# Altium PCB jlink_ob.PcbDoc
Units mil, origin at the board's own origin, x right, y up, seen from the top; angles counter-clockwise.
Board outline 1205 x 765 mil, 2 copper layers (Top Layer, Bottom Layer); 35 components, 30 nets, 122 pads, 37 vias.
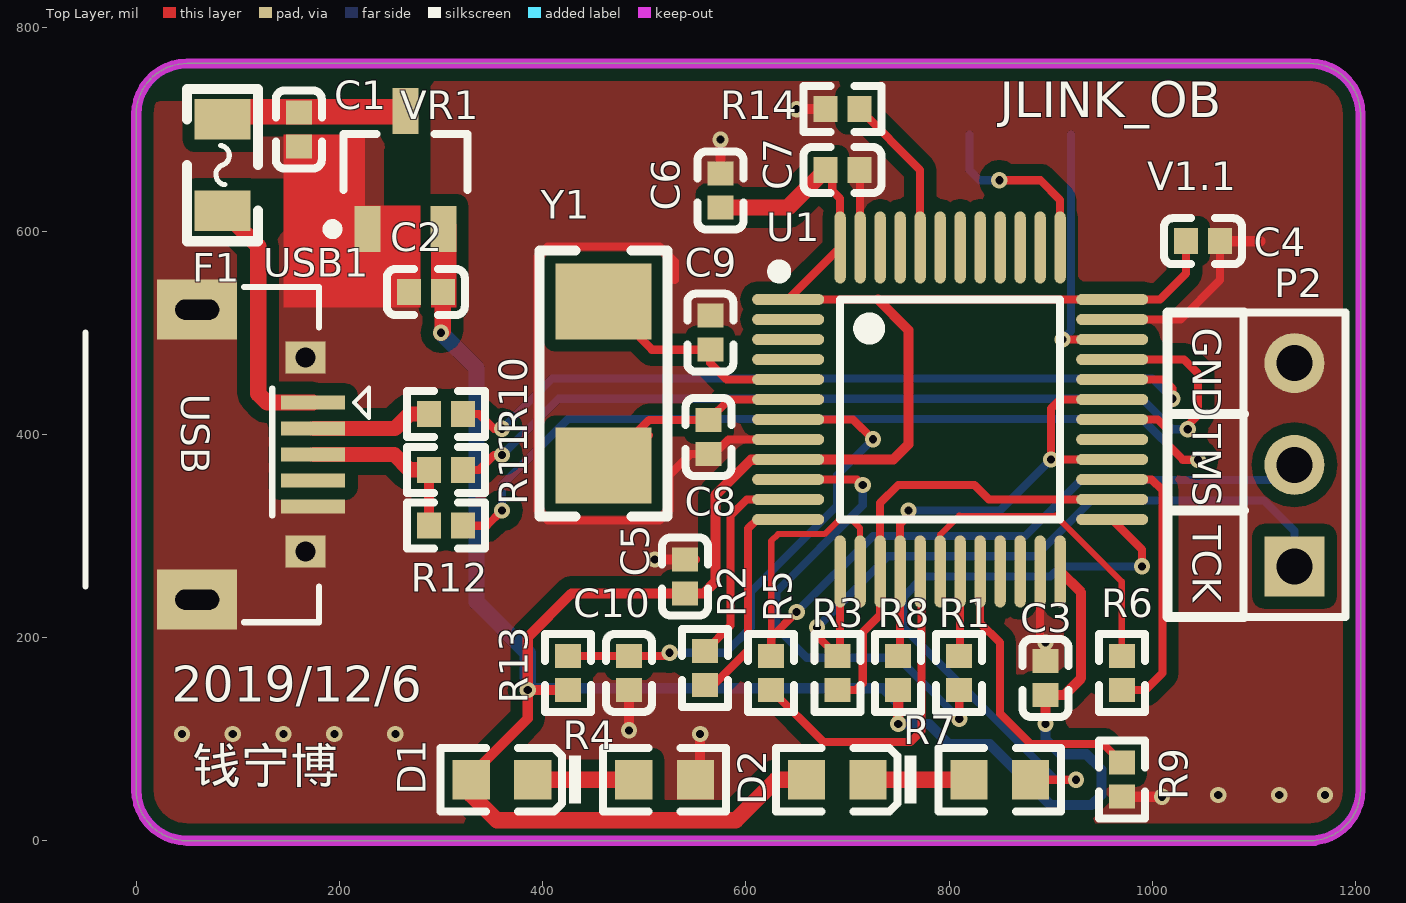
[diagram p0: Top Layer view]
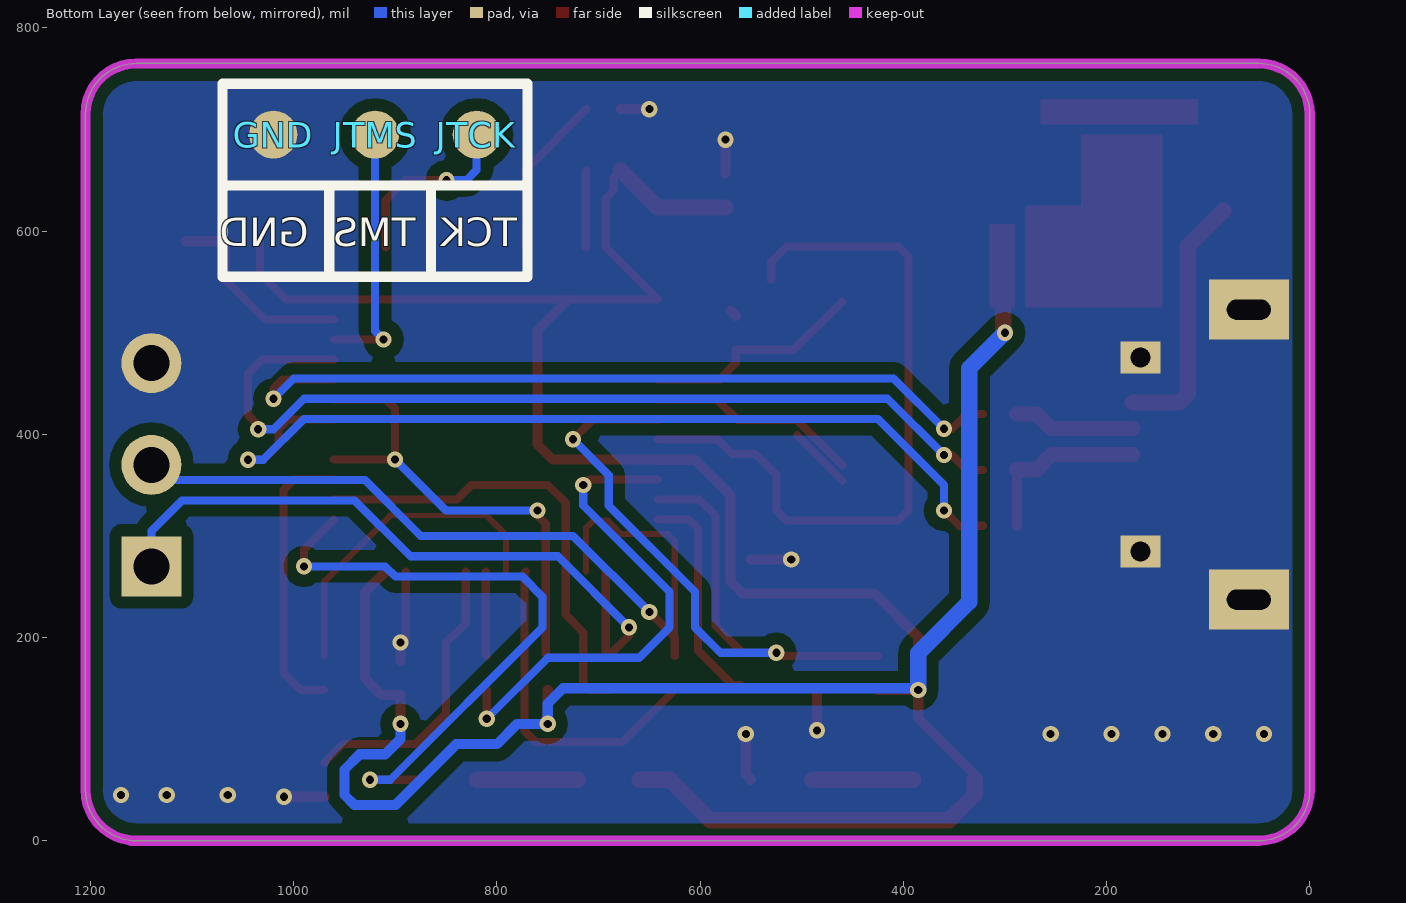
[diagram p1: Bottom Layer view, seen from below]
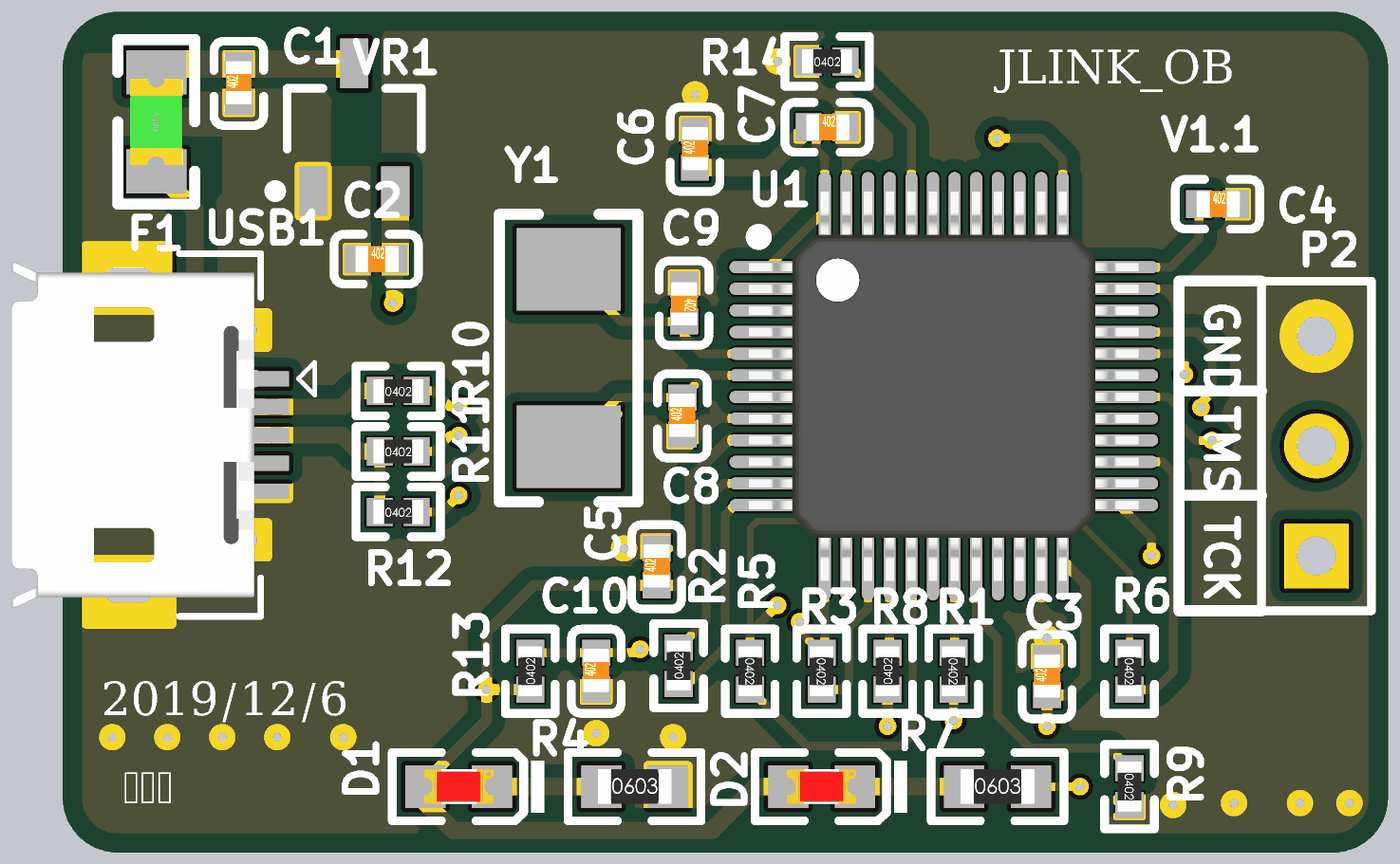
[diagram p2: 3D render of the assembled board from above, using the file's embedded part models]

## Layer stack, top to bottom
Top Solder: solder mask 0.4, Solder Resist, Dk 3.5
Top Layer: signal copper 1.4
Dielectric 1: dielectric 12.6, FR-4, Dk 4.8
Bottom Layer: signal copper 1.4
Bottom Solder: solder mask 0.4, Solder Resist, Dk 3.5

## Board outline
0,50 0,715 cw(c50,715) 50,765 1155,765 cw(c1155,715) 1205,715 1205,50 cw(c1155,50) 1155,0 50,0 cw(c50,50)

## Design rules (kind name [scope] priority, off if disabled: settings)
Clearance polgan [InPolygon] p1: gap=12 ignorepadtopadclearanceinfootprint=FALSE
Clearance all_commont_pads_ele [All] p2: gap=6 ignorepadtopadclearanceinfootprint=FALSE
DiffPairsRouting DiffPair_DiffPairsRouting [InDifferentialPair ('usb')] p1: maxlimit=40 minlimit=6 mostfreqgap=8 toplayer_minwidth=6 toplayer_maxwidth=15 toplayer_prefwidth=8 bottomlayer_minwidth=6 bottomlayer_maxwidth=15 bottomlayer_prefwidth=8 maxuncoupledlength=500
DiffPairsRouting [All] p2: maxlimit=10 minlimit=10 mostfreqgap=10 toplayer_minwidth=8 toplayer_maxwidth=15 toplayer_prefwidth=8 bottomlayer_minwidth=8 bottomlayer_maxwidth=15 bottomlayer_prefwidth=8 maxuncoupledlength=500
MatchedLengths DiffPair_MatchedLengths [InDifferentialPair ('usb')] p1: tolerance=20 checknetsindiffpair=TRUE checkdiffpairvsdiffpair=FALSE checkxsignals=FALSE checkothers=FALSE
PlaneConnect PlaneConnect_1 [All] p1: planeconnectstyle=Relief reliefexpansion=20 reliefentries=4 reliefconductorwidth=10 reliefairgap=10
PolygonConnect gnd [InNet('GND')] p1: connectstyle=Direct reliefconductorwidth=10 reliefentries=4 polygonreliefangle="90 Angle" airgapwidth=10
PolygonConnect [All] p2: connectstyle=Relief reliefconductorwidth=10 reliefentries=4 polygonreliefangle="90 Angle" airgapwidth=10
RoutingVias [All] p1: holewidth=8 width=16 viastyle="Through Hole" minholewidth=8 minwidth=16 maxholewidth=16 maxwidth=24
SolderMaskExpansion [All] p1: expansion=4
Width [All] p1: maxlimit=18 minlimit=5 preferedwidth=8
28 further rules are at their usual default settings.

## Classes and differential pairs
differential pair class usb: NewDifferentialPair1 usb
differential pair NewDifferentialPair1: +NetR10_1 -NetR11_1
differential pair usb: +USBD+ -USBD-

## Components (designator, comment, footprint, x,y, rotation, side; value= is the part's Value field where it differs from the comment)
C1 "100nF (104) 10% 16V" 0402_C 160,700 r90 top
C2 "100nF (104) 10% 16V" 0402_C 285,540 r0 top
C3 "100nF (104) 10% 16V" 0402_C 895,160 r90 top
C4 "100nF (104) 10% 16V" 0402_C 1050,590 r0 top
C5 "100nF (104) 10% 16V" 0402_C 540,260 r90 top
C6 "100nF (104) 10% 16V" 0402_C 575,640 r90 top
C7 "100nF (104) 10% 16V" 0402_C 695,660 r0 top
C8 "22pF (220) 5% 50V" 0402_C 563.39,397.32 r90 top
C9 "22pF (220) 5% 50V" 0402_C 565,500 r270 top
C10 "1.0uF (105) 10% 25V" 0402_C 485,165 r90 top
D1 "绿灯 0603" 0603_LED_S1 360,60 r180 top
D2 "蓝灯 0603" 0603_LED_S1 690,60 r180 top
F1 "MSMD200-8V 2A" "FU 0805" 85,665 r90 top
GND "TEST POINT" TP-1.5 1020,695 r90 top
JTCK "TEST POINT" TP-1.5 820,695 r90 top
JTMS "TEST POINT" TP-1.5 920,695 r90 top
P2 "仿真口" HDR1X3 1140,270 r90 top
R1 "100Ω (1000) ±1%" 0402_R 810,165 r270 top
R2 "100Ω (1000) ±1%" 0402_R 560,170 r90 top
R3 "100Ω (1000) ±1%" 0402_R 690,165 r270 top
R4 "510Ω (5100) ±1%" 0603_R 520,60 r0 top
R5 "100Ω (1000) ±1%" 0402_R 625,165 r270 top
R6 "100Ω (1000) ±1%" 0402_R 970,165 r270 top
R7 "510Ω (5100) ±1%" 0603_R 850,60 r0 top
R8 "1KΩ (1001) ±1%" 0402_R 750,165 r90 top
R9 "10KΩ (1002) ±1%" 0402_R 970,60 r270 top
R10 "100Ω (1000) ±1%" 0402_R 305,420 r0 top
R11 "100Ω (1000) ±1%" 0402_R 305,365 r0 top
R12 "100Ω (1000) ±1%" 0402_R 305,310 r0 top
R13 "10KΩ (1002) ±1%" 0402_R 425,165 r90 top
R14 "10KΩ (1002) ±1%" 0402_R 695,720 r0 top
U1 "STM32F103C8T6" LQFP-48_7x7x05P 801.1,424.45 r270 top
USB1 "USB-5P" USB-MICRO_A 60,380 r270 top
VR1 "XC6206P332MR" SOT-23-3L 265,660 r270 top
Y1 "8MHz ±20ppm 20pF" SMD-5032_2P 460,450 r90 top

## Footprints (in the part's own frame and the unit in brackets; to place one, negate y for a bottom-side part, rotate by r counter-clockwise, add the part's x,y. Pads: shape width x height; smd on the part's side, far side on the other; paste and mask are expansions set on the pad)
0402_C [mm]
  rect 0.6x0.65 smd mask+0.051: 1(-0.425,0) 2(0.425,0)
  silkscreen extent -0.97,-0.58 0.97,0.58, body extent -0.48,-0.3 0.52,0.3, height 0.2
0402_R [mm]
  rect 0.6x0.65 smd mask+0.051: 1(-0.425,0) 2(0.425,0)
  silkscreen extent -0.97,-0.58 0.97,0.58, body extent -0.57,-0.27 0.58,0.28, height 0.41
0603_LED_S1 [mm]
  rect 0.93x0.98 smd: A(0.77,0) K(-0.77,0)
  silkscreen extent -1.98,-0.79 1.54,0.79, body extent -0.8,-0.4 0.8,0.4, height 0.6
0603_R [mm]
  rect 0.93x0.98 smd: 1(-0.77,0) 2(0.77,0)
  silkscreen extent -1.53,-0.79 1.54,0.79, body extent -0.85,-0.4 0.85,0.4, height 0.56
"FU 0805" [mil] "贴片保险丝"
  rect 40x55 smd: 1(-45,0) 2(45,0)
  silkscreen extent -75,-35 75,35, body extent -39,-24 39,24, height 20
HDR1X3 [mm] "Connector; Header; 3 Position"
  rect 1.5x1.5 hole 0.9: 1(0,0)
  round 1.5 hole 0.9: 2(2.54,0) 3(5.08,0)
  silkscreen extent -1.27,-1.27 6.35,1.27
LQFP-48_7x7x05P [mm]
  oval 0.28x1.8 smd mask+0.051: 1(-2.75,-4.05) 2(-2.25,-4.05) 3(-1.75,-4.05) 4(-1.25,-4.05) 5(-0.75,-4.05) 6(-0.25,-4.05) 7(0.25,-4.05) 8(0.75,-4.05) 9(1.25,-4.05) 10(1.75,-4.05) 11(2.25,-4.05) 12(2.75,-4.05) 25(2.75,4.05) 26(2.25,4.05) 27(1.75,4.05) 28(1.25,4.05) 29(0.75,4.05) 30(0.25,4.05) 31(-0.25,4.05) 32(-0.75,4.05) 33(-1.25,4.05) 34(-1.75,4.05) 35(-2.25,4.05) 36(-2.75,4.05)
  oval 1.8x0.28 smd mask+0.051: 13(4.05,-2.75) 14(4.05,-2.25) 15(4.05,-1.75) 16(4.05,-1.25) 17(4.05,-0.75) 18(4.05,-0.25) 19(4.05,0.25) 20(4.05,0.75) 21(4.05,1.25) 22(4.05,1.75) 23(4.05,2.25) 24(4.05,2.75) 37(-4.05,2.75) 38(-4.05,2.25) 39(-4.05,1.75) 40(-4.05,1.25) 41(-4.05,0.75) 42(-4.05,0.25) 43(-4.05,-0.25) 44(-4.05,-0.75) 45(-4.05,-1.25) 46(-4.05,-1.75) 47(-4.05,-2.25) 48(-4.05,-2.75)
  silkscreen extent -3.6,-4.42 2.75,2.75, body extent -4.5,-4.5 4.5,4.5, height 1.6
SMD-5032_2P [mm]
  rect 1.9x2.4 smd: 1(-2.05,0) 2(2.05,0)
  silkscreen extent -3.32,-1.6 3.32,1.6
SOT-23-3L [mm] "http://www.aosmd.com/res/packaging_information/SOT-23-3L.pdf"
  rect 1.15x0.65 smd: 1(1.475,-0.95) 2(1.475,0.95) 3(-1.475,0)
  silkscreen extent -0.9,-1.95 1.6,1.55, body extent -0.9,-1.55 0.9,1.55, height 1.25
TP-1.5 [mm]
  round 1.2 smd far side: 1(0,0)
USB-MICRO_A [mm] "micro型USB ，5.7*7.8*2.5mm"
  rect 0.35x1.6 smd: 1(-1.3,2.9) 2(-0.65,2.9) 3(0,2.9) 4(0.65,2.9) 5(1.3,2.9)
  rect 1.5x2 hole 0.5 slot 1.1 at 90 deg: 5(-3.625,0) 5(3.625,0)
  rect 0.8x1 hole 0.5: 5(-2.425,2.71) 5(2.425,2.71)
  silkscreen extent -4.19,-2.79 4.19,4.3, body extent -4,-2.71 4,2.89, height 2.8

## Part data
C1 C2 C3 C4 C5 C6 C7: library part "0402 100nF (104) 10% 16V", "贴片电容", Package=0402, SuppliersPartNumber=C1525, ComponentLink1Description=供应商链接, ComponentLink1URL=http://www.szlcsc.com/product/details_1877.html, Supplier=LC
C8 C9: library part "0402 22pF (220) 5% 50V", "贴片电容", Package=0402, SuppliersPartNumber=C1555, ComponentLink1Description=供应商链接, ComponentLink1URL=http://www.szlcsc.com/product/details_1907.html, Supplier=LC
C10: library part "0402 1.0uF (105) 10% 25V", "贴片电容", Package=0402, SuppliersPartNumber=C52923, ComponentLink1Description=供应商链接, ComponentLink1URL=http://www.szlcsc.com/product/details_53938.html, Supplier=LC
D1: library part "0603 绿灯", "发光二极管", Package=0603, SuppliersPartNumber=C72043, ComponentLink1Description=供应商链接, ComponentLink1URL=http://www.szlcsc.com/product/details_73152.html, Supplier=LC
D2: library part "0603 蓝灯", "发光二极管", Package=0603, SuppliersPartNumber=C72041, ComponentLink1Description=供应商链接, ComponentLink1URL=http://www.szlcsc.com/product/details_73150.html, Supplier=LC
F1: library part FU, "贴片保险丝", BOM名称=贴片保险丝, 学习资源=www.ooocke.com, 版权归属=源创客
GND JTCK JTMS: library part TEST-POINT, "测试点"
P2: library part "Header 3", "Header, 3-Pin", LatestRevisionDate=17-Jul-2002, LatestRevisionNote="Re-released for DXP Platform.", Publisher="Altium Limited"
R1 R2 R3 R5 R6 R10 R11 R12: library part "0402 100Ω (1000) 1%", "贴片电阻", Package=0402, SuppliersPartNumber=C25076, ComponentLink1Description=供应商链接, ComponentLink1URL=http://www.szlcsc.com/product/details_25819.html, Supplier=LC
R4 R7: library part "0603 510Ω (5100) 1%", "贴片电阻", Package=0603, SuppliersPartNumber=C23193, ComponentLink1Description=供应商链接, ComponentLink1URL=http://www.szlcsc.com/product/details_23920.html, Supplier=LC
R8: library part "0402 1KΩ (1001) 1%", "贴片电阻", Package=0402, SuppliersPartNumber=C11702, ComponentLink1Description=供应商链接, ComponentLink1URL=http://www.szlcsc.com/product/details_12256.html, Supplier=LC
R9 R13 R14: library part "0402 10KΩ (1002) 1%", "贴片电阻", Package=0402, SuppliersPartNumber=C25744, ComponentLink1Description=供应商链接, ComponentLink1URL=http://www.szlcsc.com/product/details_26487.html, Supplier=LC
U1: "ARM", Package=LQFP-48_7x7x05P, SuppliersPartNumber=C8734, ComponentLink1Description=供应商链接, ComponentLink1URL=http://www.szlcsc.com/product/details_9243.html, Supplier=LC
USB1: "微型USB母座", BOM名称=微型USB母座, 学习资源=www.ooocke.com, 版权归属=源创客
VR1: library part "SOT-23 XC6206P332MR", "低压差线性稳压(LDO)", Package=SOT-23, SuppliersPartNumber=C5446, ComponentLink1Description=供应商链接, ComponentLink1URL=http://www.szlcsc.com/product/details_5896.html, Supplier=LC
Y1: library part "SMD-5032_2P 8MHz 20ppm 20pF", "贴片晶振", Package=SMD-5032_2P, SuppliersPartNumber=C115962, ComponentLink1Description=供应商链接, ComponentLink1URL=http://www.szlcsc.com/product/details_117214.html, Supplier=LC

## Via types
v1: diameter 16, hole 8, Top Layer to Bottom Layer, 37 vias

## Nets (pads, with @x,y where several pads share a name; then routed paths per layer and width w, separated by ;. In a path a pad name is that pad's centre, name@x,y a point inside that pad or via, vN(x,y) a via of type N, cw(c..) or ccw(c..) an arc to the next point about the centre after c; other vN are vias at no path point)
GND: C1.1 C2.1 C3.2 C4.2 C5.2 C6.2 C7.2 C8.1 C9.1 C10.1 GND.1 P2.3 R4.2 R9.2 R14.1 U1.8 U1.23 U1.35 U1.47 USB1.5 VR1.1 | length 1320
  Top Layer w8: 530,551.73 530,570 515,585 405,585 395,575 395,325 405,315 515,315 525,325 525,360 545.59,380.59 C8.1 568.67,380.59 583,394.92 U1.8 ; C7.2 712.52,659.21 U1.47 ; U1.23 889.68,200.31 v1(895,195) ; U1.35 1028.03,513.03 1066.73,551.73 C4.2
  Top Layer w10: v1(485,108.58) C10.1 ; v1(510.32,276.73) C5.2 C5.2@550,276.73 ; R4.2 550,60.32 555,65.32 v1(555,105) ; C9.1 C9.1@570,521.73 ; C6.2 v1(575,690) ; v1(650,720) R14.1 ; C3.2 v1(895,195) ; R9.2 v1(1009.68,43.27) ; C4.2 1106.42,590
  other v1: 1065,45 1125,45 1170,45 45,105 95,105 145,105 195,105 255,105
JTCK: JTCK.1 U1.37 | length 183.3
  Top Layer w8: v1(849.53,650) 890,650 909.37,630.63 U1.37
  Bottom Layer w8: JTCK.1 820,660 830,650 v1(849.53,650)
JTMS: JTMS.1 U1.34 | length 254
  Top Layer w8: v1(911.65,493.35) U1.34
  Bottom Layer w8: v1(911.65,493.35) 920,501.69 JTMS.1
LED: R7.2 U1.25 | length 612.6
  Top Layer w8: R7.2 v1(925,60) ; U1.25 990,286.73 v1(990,270)
  Bottom Layer w8: v1(925,60) 905,60 755,210 755,240 775,260 900,260 910,270 v1(990,270)
NetC1_2: C1.2 F1.2 VR1.3
NetC8_2: C8.2 U1.6 Y1.1 | length 271.9
  Top Layer w8: Y1.1@460,354.29 Y1.1@504.76,399.06 ; Y1.1 504.76,414.06 C8.2 583.62,434.29 U1.6
NetC9_2: C9.2 U1.5 Y1.2 | length 221.2
  Top Layer w8: Y1.2 507.44,483.27 C9.2 565,470 581.02,453.98 U1.5
NetC10_2: C10.2 R13.2 U1.7 | length 518.1
  Top Layer w8: R13.2 C10.2 521.73,181.73 v1(525,185) ; U1.7 705.58,414.61 v1(725.09,395.09)
  Bottom Layer w8: v1(525,185) 580,185 605,210 605,245 690,330 690,360 v1(725.09,395.09)
NetD1_K: D1.K R4.1 | length 99.4
  Top Layer w16: D1.K R4.1
NetD2_K: D2.K R7.1 | length 99.4
  Top Layer w16: D2.K R7.1
NetF1_1: F1.1 USB1.1 | length 252.3
  Top Layer w16: F1.1 120,585 120,440 128.82,431.18 USB1.1
NetR9_1: R9.1 U1.20 | length 288
  Top Layer w8: U1.20 830.63,214.37 850,195 850,125 880,95 951.73,95 R9.1
NetR10_1: R10.1 USB1.2 | length 120.1
  Top Layer w15: USB1.2 254.55,405.59 268.96,420 R10.1
NetR11_1: R11.1 R12.1 USB1.3 | length 175.3
  Top Layer w10: R12.1 R11.1
  Top Layer w15: USB1.3 253.96,380 268.96,365 R11.1
NetR14_2: R14.2 U1.44 | length 160.9
  Top Layer w8: R14.2 771.57,660.16 U1.44
TCKIN: P2.1 R3.1 U1.13 | length 690.2
  Top Layer w8: v1(670,210) 670,201.73 R3.1 692.83,184.57 U1.13
  Bottom Layer w8: v1(670,210) 740,280 885,280 940,335 1110,335 1140,305 P2.1
TCKOUT: R3.2 U1.15 U1.26 | length 453.7
  Top Layer w8: R3.2 708.27,148.27 715,155 715,205 732.2,222.2 U1.15 732.2,332.2 750,350 825,350 839.13,335.87 U1.26
TDIIN: R6.1 U1.18 | length 323
  Top Layer w5: 810,320 905,320
  Top Layer w6: U1.18 791.26,301.26 810,320 ; 905,320 970,255 R6.1
TDIOUT: R6.2 U1.27 | length 280.7
  Top Layer w8: U1.27 999.45,355.55 1010,345 1010,165 993.27,148.27 R6.2
TDOIN: R8.2 U1.16 U1.28 U1.31 | length 482.8
  Top Layer w8: R8.2 751.89,183.62 U1.16 751.89,311.89 760,320 v1(760,325) ; U1.28 v1(900.24,375.24) 900.24,425.24 909.29,434.29 U1.31
  Bottom Layer w8: v1(760,325) 850,325 v1(900.24,375.24)
TMSIN: P2.2 R5.1 U1.14 | length 840.1
  Top Layer w6: 625,200 625,295 631.67,301.67 677.59,301.67 690.92,315 705,315 712.52,307.48 U1.14
  Top Layer w8: R5.1 625,200 v1(650,225)
  Bottom Layer w8: v1(650,225) 725,300 875,300 930,355 1125,355 P2.2
TMSOUT: R5.2 U1.17 | length 331.2
  Top Layer w8: R5.2 676.27,97 762,97 772.8,107.8 772.8,263.78 U1.17
TRESIN: R2.1 U1.12 | length 219.4
  Top Layer w8: R2.1 568.27,153.27 602.2,187.2 602.2,307.2 611.18,316.18 U1.12
TRESOUT: R2.2 U1.11 | length 206.8
  Top Layer w8: R2.2 585,211.73 585,320 600.87,335.87 U1.11
TRSTIN: R1.1 U1.19 | length 83.7
  Top Layer w8: R1.1 810.94,182.68 U1.19
TRSTOUT: R1.2 U1.10 | length 496.4
  Top Layer w8: U1.10 709.45,355.55 v1(715,350) ; v1(810,120) R1.2
  Bottom Layer w8: v1(715,350) 715,330 630,245 630,210 660,180 750,180 v1(810,120)
USBD+: R11.2 U1.33 | length 903.9
  Top Layer w8: R11.2 337.54,365 352.04,379.5 v1(360,379.5) ; U1.33 1031.34,473.66 1045,460 1045,418.89 1035,408.89 v1(1035,405)
  Bottom Layer w8: v1(360,379.5) 415.5,435 990,435 1020,405 v1(1035,405)
USBD-: R10.2 U1.32 | length 806.2
  Top Layer w8: R10.2 337.54,420 352.04,405.5 v1(360,405.5) ; U1.32 1011.02,453.98 1020,445 v1(1020,435)
  Bottom Layer w8: v1(360,405.5) 409.5,455 1000,455 v1(1020,435)
USBD_EN: R12.2 U1.30 | length 907.6
  Top Layer w8: R12.2 345,310 v1(360,325) ; U1.30 1005.39,414.61 1015,405 1015,390 1030,375 v1(1045,375)
  Bottom Layer w8: v1(360,325) 360,350 425,415 990,415 1030,375 v1(1045,375)
vcc3.3: C2.2 C3.1 C4.1 C5.1 C6.1 C7.1 D1.A D2.A R8.1 R13.1 U1.1 U1.9 U1.24 U1.36 U1.48 VR1.2 | length 3321
  Top Layer w8: C7.1 685,653.27 685,640 692.83,632.17 U1.48 U1.1 730,532.72 U1.36 1007.72,532.72 1033.27,558.27 C4.1
  Top Layer w10: D1.A 329.68,64.68 385.32,120.31 v1(385.32,148.27) ; R13.1 v1(385.32,148.27) ; 730,532.72 760,502.72 760,390 745.24,375.24 U1.9 641.42,375 605,375 570,340 570,255 558.27,243.27 C5.1 428.27,243.27 385.32,200.31 v1(385.32,148.27) ; v1(750,115) R8.1 ; v1(895,115) C3.1 913.27,143.27 930,160 930,244.37 U1.24
  Top Layer w16: v1(300,500) 301.73,501.73 C2.2 ; D1.A 329.68,45.32 355,20 590,20 630,60 D2.A ; C6.1 641.54,623.27 C7.1
  Bottom Layer w10: v1(385.32,148.27) 387.05,150 735,150 750,135 v1(750,115) 780,115 800,95 840,95 900,35 940,35 950,45 950,70 935,85 910,85 895,100 v1(895,115)
  Bottom Layer w16: v1(300,500) 335,465 335,235 385.32,184.69 v1(385.32,148.27)
pads on no net: U1.2 U1.3 U1.4 U1.21 U1.22 U1.29 U1.38 U1.39 U1.40 U1.41 U1.42 U1.43 U1.45 U1.46 USB1.4

## Polygon pours and split planes (outlines as drawn)
GND on Top Layer "Keep-Out Layer-No Net" (solid, remove dead copper, pour order 0): 1128.58,770 cw(c1128.58,670) 1199.29,740.71 1210,730 1210,71.42 cw(c1110,71.42) 1180.71,0.71 1180,0 76.42,0 cw(c76.42,100) 5.71,29.29 -5,40 -5,688.58 cw(c95,688.58) 24.29,759.29 35,770
GND on Bottom Layer "Keep-Out Layer-No Net" (solid, remove dead copper, pour order 2): 50,765 1123.58,765 cw(c1123.58,665) 1194.29,735.71 1205,725 1205,76.42 cw(c1105,76.42) 1175.71,5.71 1170,0 40,0 7.07,32.93 cw(c24.14,50) 0,50 0,725 32.93,757.93 cw(c50,740.86)

## Keep-outs
Keep-Out Layer:
  lines w10: 1155,0 ccw(c1155,50) 1205,50 1205,715 ccw(c1155,715) 1155,765 50,765 ccw(c50,715) 0,715 0,50 ccw(c50,50) 50,0 1160,0

## Other copper
Top Layer:
  rectangle net vcc3.3: 290,525 315,606.93
  rectangle net NetC1_2: 165,705 265,730
  rectangle net NetC1_2: 110,705 175,730
  rectangle net GND: 215,525 280,625
  rectangle net GND: 145,525 225,695
  pour cut-out: 289.71,690 253.39,690 243.84,680.45 243.84,530 273.19,525 290.29,525
  pour cut-out: 615,10 930,10 960,40 955,45 955,55 915,55 900,40 630,40
  pour cut-out: 115.03,651.73 163.27,651.73 180,635 141.93,596.93 133.07,596.93 115,615
  pour cut-out: 239.56,732.66 219.56,752.66 39.01,752.66 18.69,732.34 23.38,727.66 54.56,727.66

## Silkscreen, mask and mechanical layers (free items; w line width, h text height)
Top Overlay:
  lines w10: 1015,325 1090,325 ; 1015,420 1090,420 ; 1090,220 1015,220 1015,520 1090,520
  text "JLINK_OB" at 850,700 h60
  text "V1.1" at 995,640 h28
  text "GND" at 1040,505 h28 r270
  text "TMS" at 1040,410 h28 r270
  text "TCK" at 1040,310 h28 r270
  text "2019/12/6" at 35,125 h60
  text "钱宁博" at 55,45 h60
Bottom Overlay:
  lines w10: 865,555 865,645 870,645 ; 965,555 965,645 970,645 ; 770,645 770,745 1070,745 1070,645 ; 770,645 1070,645 ; 770,645 770,555 1070,555 1070,645
  text "TCK" at 780,585 h28
  text "TMS" at 880,585 h28
  text "GND" at 985,585 h28
Mechanical 1:
  the board outline again, w10

## Text inside footprints (layer, text, board x,y; h text height)
USB1: Top Overlay "USB" at 44.17,440 h28 r270